# Allegro board WeChat_ZM_PART_20200601.brd
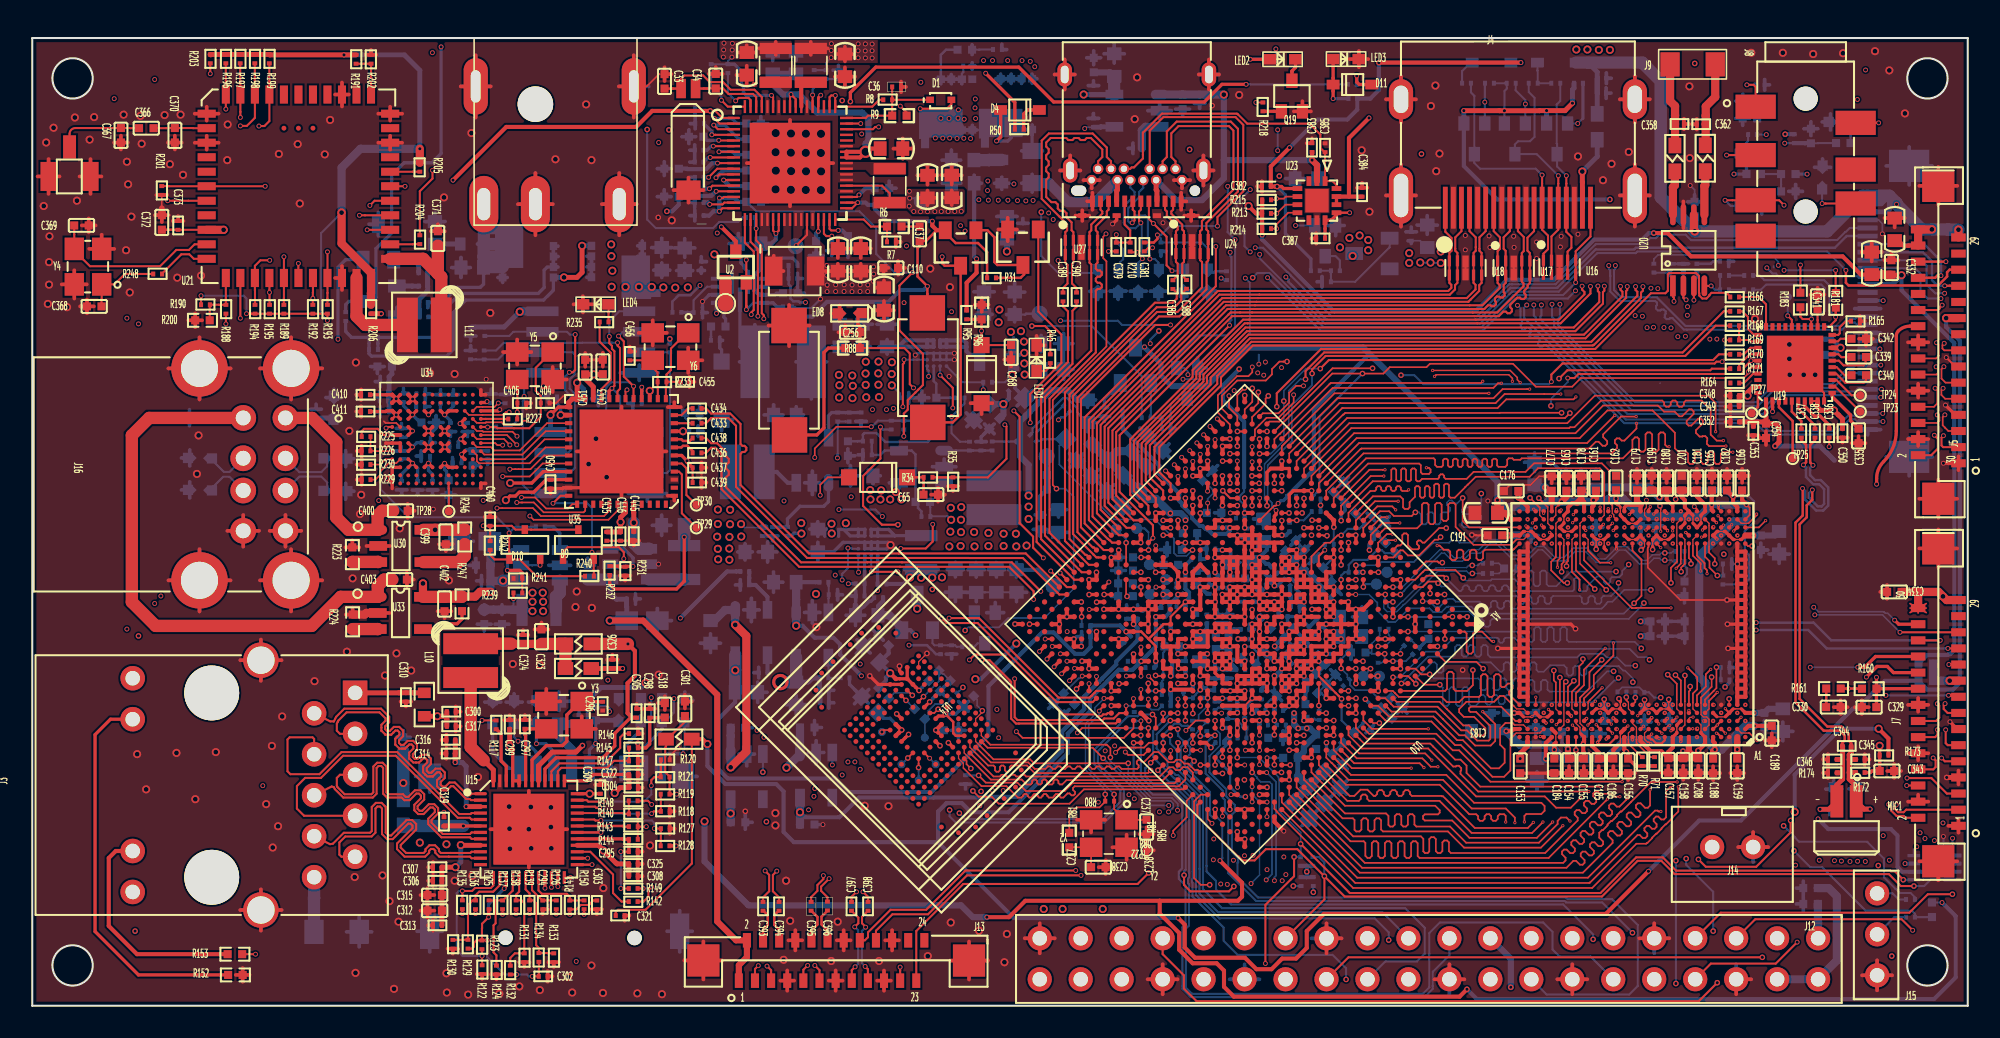
[diagram p0: board, top side]
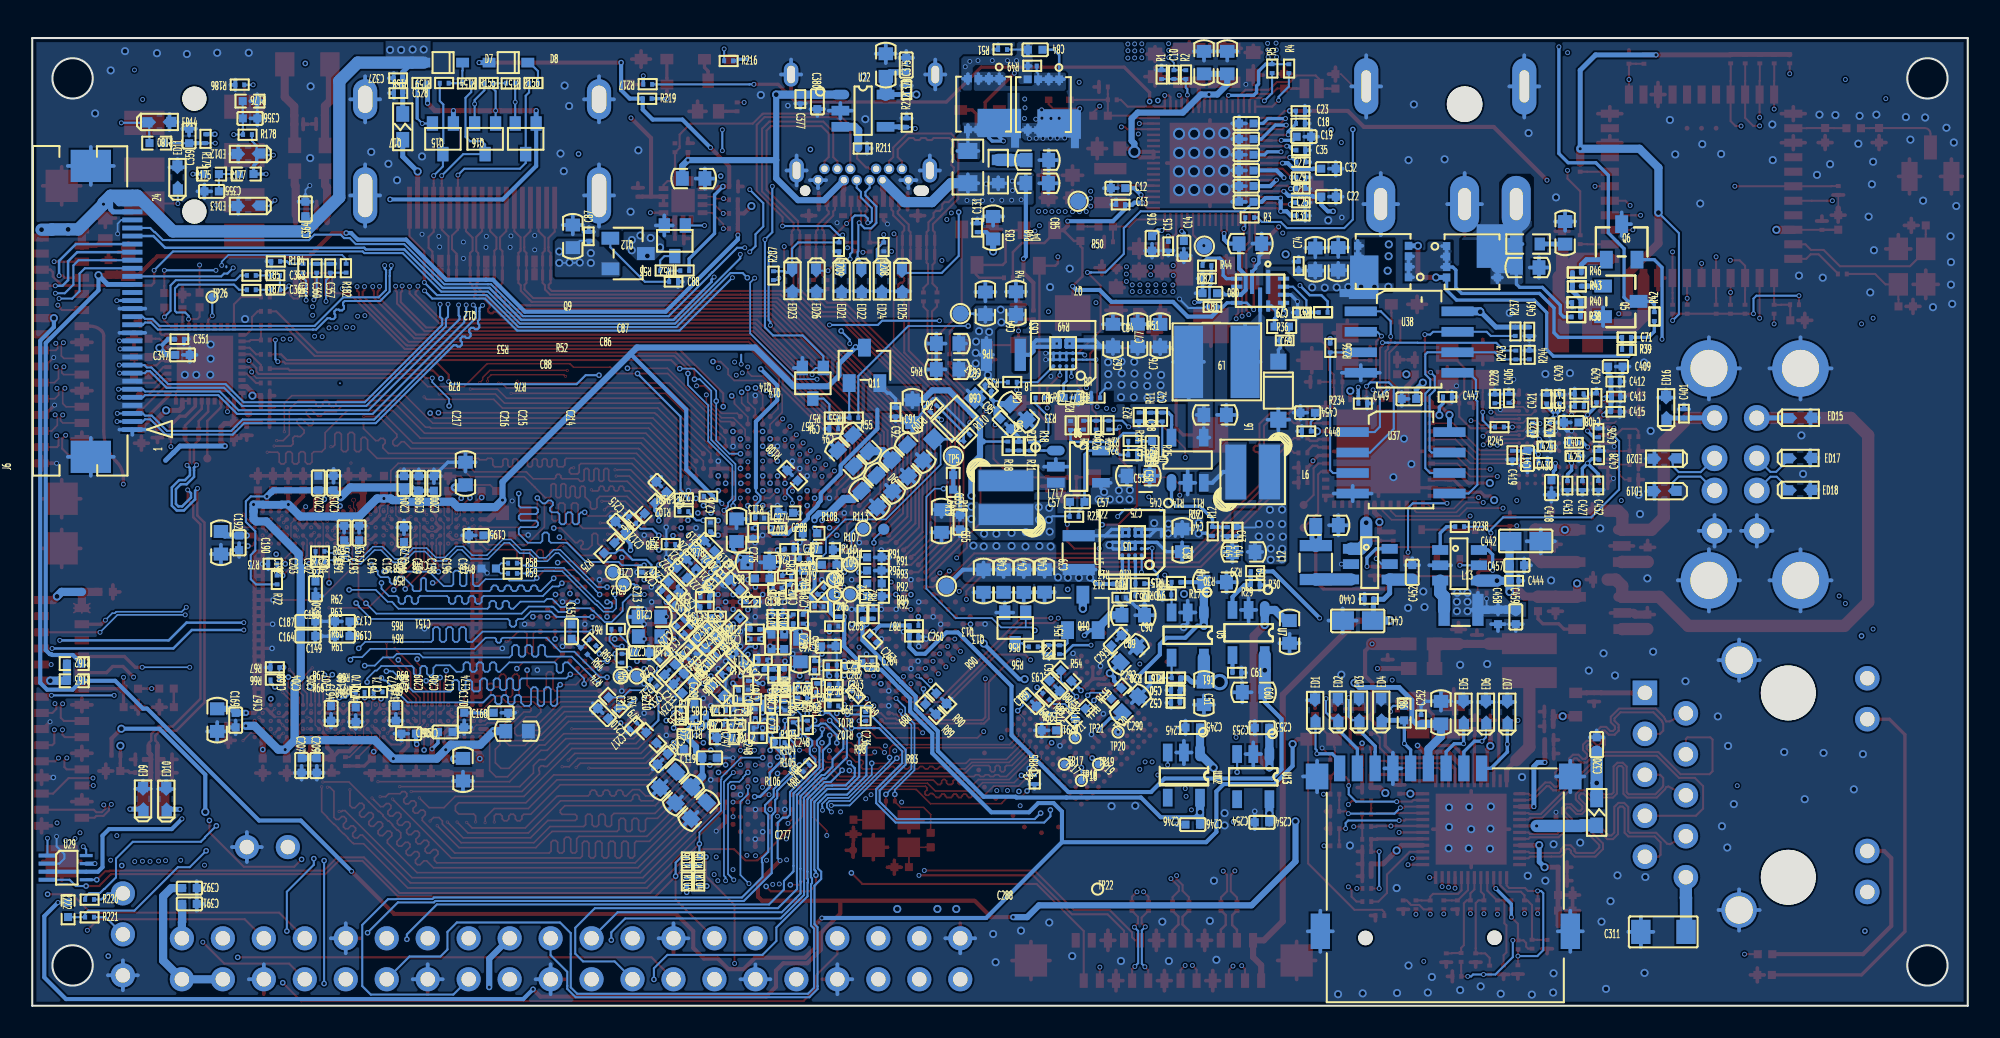
[diagram p1: board, bottom side, seen from below]

Outline 120 x 60 mm; copper layers: TOP, GND1, SIG1, POWER1, GND2, SIG2, GND, BOTTOM. Coordinates in mm from the lower left corner of the outline.
Outline path: circle c2.5,57.5 r1.25 ; circle c2.5,2.5 r1.25 ; circle c117.5,57.5 r1.25 ; circle c117.5,2.5 r1.25 ; 0,60 120,60 120,0 0,0 0,60

## Design rules (mm)
net group DP1: nets TYPEC0_SBU1_DC TYPEC0_SBU2
net group DP2: nets TYPEC_CC1 TYPEC_CC2
net group DP3: nets TYPEC0_DM TYPEC0_DP
net group DP4: nets HOST0_DM HOST0_DP
net group DP5: nets HOST1_DM HOST1_DP
net group DP7: nets N16459798 N16459876
net group DP10: nets USB3_DM USB3_DP
net group GL_SSRXM: nets GL_SSRXM GL_SSTXM0
net group GL_SSRXM0: nets GL_SSRXM0 GL_SSTXM
net group GL_SSRXP: nets GL_SSRXP GL_SSTXP0
net group GL_SSRXP0: nets GL_SSRXP0 GL_SSTXP
net group HDMI_TX0: nets HDMI_TX0N HDMI_TX0P
net group HDMI_TX1: nets HDMI_TX1N HDMI_TX1P
net group HDMI_TX2: nets HDMI_TX2N HDMI_TX2P
net group HDMI_TXC: nets HDMI_TXCN HDMI_TXCP
net group MIC_IN2: nets MIC_IN2N MIC_IN2P
net group MIPI_RX0_CLK: nets MIPI_RX0_CLKN MIPI_RX0_CLKP
net group MIPI_RX0_D0: nets MIPI_RX0_D0N MIPI_RX0_D0P
net group MIPI_RX0_D1: nets MIPI_RX0_D1N MIPI_RX0_D1P
net group MIPI_RX0_D2: nets MIPI_RX0_D2N MIPI_RX0_D2P
net group MIPI_RX0_D3: nets MIPI_RX0_D3N MIPI_RX0_D3P
net group MIPI_TX0_CLK: nets MIPI_TX0_CLKN MIPI_TX0_CLKP
net group MIPI_TX0_D0: nets MIPI_TX0_D0N MIPI_TX0_D0P
net group MIPI_TX0_D1: nets MIPI_TX0_D1N MIPI_TX0_D1P
net group MIPI_TX0_D2: nets MIPI_TX0_D2N MIPI_TX0_D2P
net group MIPI_TX0_D3: nets MIPI_TX0_D3N MIPI_TX0_D3P
net group MIPI_TX1/RX1_CLK: nets MIPI_TX1/RX1_CLKN MIPI_TX1/RX1_CLKP
net group MIPI_TX1/RX1_D0: nets MIPI_TX1/RX1_D0N MIPI_TX1/RX1_D0P
net group MIPI_TX1/RX1_D1: nets MIPI_TX1/RX1_D1N MIPI_TX1/RX1_D1P
net group MIPI_TX1/RX1_D2: nets MIPI_TX1/RX1_D2N MIPI_TX1/RX1_D2P
net group MIPI_TX1/RX1_D3: nets MIPI_TX1/RX1_D3N MIPI_TX1/RX1_D3P
net group PCIE_REF_CLKN: nets N16798072 PCIE_REF_CLKN
net group PCIE_REF_CLKP: nets N16798049 PCIE_REF_CLKP
net group PCIE_RX0: nets PCIE_RX0_N PCIE_RX0_P
net group PCIE_RX1: nets PCIE_RX1_N PCIE_RX1_P
net group PCIE_TX0N: nets N16797144 PCIE_TX0N
net group PCIE_TX0P: nets N16797093 PCIE_TX0P
net group PCIE_TX1N: nets N16797043 PCIE_TX1N
net group PCIE_TX1P: nets N16796955 PCIE_TX1P
net group TYPEC0_RX1: nets TYPEC0_RX1N TYPEC0_RX1P
net group TYPEC0_RX2: nets TYPEC0_RX2N TYPEC0_RX2P
net group TYPEC0_TX1: nets TYPEC0_TX1N TYPEC0_TX1P
net group TYPEC0_TX2: nets TYPEC0_TX2N TYPEC0_TX2P
net group TYPECTX1: nets TYPECTX1N TYPECTX1P
net group DDR4: nets DDR0_ODT0 DDR0_RST DDR1_ODT0
net group EMMC: nets EMMC_D0 EMMC_D1 EMMC_D2 EMMC_D3 EMMC_D4 EMMC_D5 EMMC_D6 EMMC_D7 EMMC_STRB
net group MG1: nets MDI0+ MDI0- MDI1+ MDI1- MDI2+ MDI2- MDI3+ MDI3-

## Placement (name value [footprint] x y rotation side)
C1  22uF  [C0603]  47.35 58.48 270 bottom
C2  22uF  [C0603]  45.91 58.48 270 bottom
C3  22uF  [C0603]  44.48 47.26 0 bottom
C4  22uF  [C0603]  51.37 46.25 90 top
C5  22uF  [C0603]  49.95 46.25 90 top
C6  22uF  [C0603]  53.27 53.14 180 top
C7  22uF  [C0603]  55.5 50.79 90 top
C8  22uF  [C0603]  57.01 50.8 90 top
C9  22uF  [C0603]  44.3 58.4 270 top
C10  47pF  [C0201]  49.22 57.73 90 bottom
C11  22uF  [C0603]  50.39 58.31 270 top
C12  100nF  [C0402]  52.23 50.69 0 bottom
C13  1uF  [C0201]  52.52 49.67 180 bottom
C14  2.2uF  [C0402]  48.6 47.41 270 bottom
C15  1uF  [C0201]  49.57 47.09 90 bottom
C16  2.2uF  [C0402]  50.57 47.71 270 bottom
C17  4.7uF  [C0402]  44.28 53.73 0 bottom
C18  1uF  [C0201]  41.38 54.7 0 bottom
C19  2.2uF  [C0402]  41.61 53.88 180 bottom
C20  2.2uF  [C0402]  44.28 50.82 0 bottom
C21  1uF  [C0201]  41.35 50.66 0 bottom
C22  2.2uF  [C0402]  40.08 50.17 180 bottom
C23  1uF  [C0201]  41.37 55.48 0 bottom
C24  4.7uF  [C0402]  44.28 54.71 0 bottom
C25  1uF  [C0201]  41.35 49.81 0 bottom
C26  2.2uF  [C0402]  44.28 49.85 0 bottom
C27  1uF  [C0201]  41.35 52.31 0 bottom
C28  4.7uF  [C0402]  44.28 52.76 0 bottom
C29  1uF  [C0201]  41.36 51.36 0 bottom
C30  2.2uF  [C0402]  44.28 51.79 0 bottom
C31  1uF  [C0201]  41.35 48.99 0 bottom
C32  1uF  [C0402]  40.08 51.9 180 bottom
C33  22pF  [C0402]  39.2 56.86 90 top
C34  22pF  [C0402]  42.38 56.87 90 top
C35  100nF  [C0201]  41.35 53.05 0 bottom
C36  100nF  [C0201]  53.59 56.97 180 top
C37  1uF  [C0402]  55.01 48.32 270 top
C38  10uF  [C0603]  48.7 28.85 270 bottom
C39  22uF  [C0603]  57.24 26.34 270 bottom
C40  22uF  [C0603]  58.53 26.33 270 bottom
C41  10uF  [C0603]  46.66 36.63 180 bottom
C42  100pF  [C0201]  49.94 36.51 90 bottom
C43  10uF  [C0603]  44.89 28.14 0 bottom
C44  100nF  [C0201]  45.26 29.4 270 bottom
C45  100nF  [C0201]  45.9 29.4 270 bottom
C46  100nF  [C0201]  51.33 25.41 180 bottom
C47  22uF  [C0603]  59.78 26.33 270 bottom
C48  22uF  [C0603]  61.02 26.33 270 bottom
C49  10uF  [C0603]  46.66 26.26 180 bottom
C50  47pF  [C0201]  49.12 19.56 0 bottom
C51  10uF  [C0603]  47.36 19.37 270 bottom
C52  100nF  [C0201]  49.12 18.78 0 bottom
C53  10uF  [C0603]  51.43 32.86 180 bottom
C54  22uF  [C0603]  63.63 30.05 270 bottom
C55  100nF  [C0402]  62.48 30.43 270 bottom
C56  100nF  [C0201]  58.83 34.7 90 bottom
C57  100pF  [C0402]  55.66 31.24 180 bottom
C58  22nF  [C0402]  50.57 35 270 bottom
C59  4.7uF  [C0603]  42.05 23.18 270 bottom
C60  4.7uF  [C0603]  44.28 19.43 0 bottom
C61  100nF  [C0201]  45.32 20.65 180 bottom
C62  10uF  [C0603]  53 41.56 90 bottom
C63  22uF  [C0603]  59.01 43.57 90 bottom
C64  22uF  [C0603]  60.91 43.55 90 bottom
C65  2.2uF  [C0402]  55.26 31.69 0 top
C66  100nF  [C0402]  56.06 37.7 180 bottom
C67  22uF  [C0603]  63.25 41.06 0 bottom
C68  22uF  [C0603]  63.25 39.45 0 bottom
C69  220nF  [C0201]  42.35 41.25 0 bottom
C70  22uF  [C0603]  27.28 45.77 180 bottom
C71  1uF  [C0201]  21.15 41.44 180 bottom
C72  10uF  [C0603]  39.03 46.31 90 bottom
C73  10uF  [C0603]  40.45 46.28 90 bottom
C74  100nF  [C0201]  41.48 45.86 90 bottom
C75  22uF  [C0603]  51.47 41.56 90 bottom
C76  22uF  [C0603]  50.07 41.55 90 bottom
C77  100nF  [C0201]  54.07 37.69 0 bottom
C78  2.2uF  [C0603]  24.96 47.92 90 bottom
C79  NC  [C0201]  41.28 42.98 0 bottom
C80  100nF  [C0402]  46.55 44.18 0 bottom
C81  1uF  [C0201]  46.83 43.33 0 bottom
C82  1uF  [C0201]  47.17 45.09 0 bottom
C83  10uF  [C0603]  57.7 50.99 180 bottom
C84  NC  [C0402]  57.37 59.28 0 bottom
C85  2.2uF  [C0603]  57.68 52.43 180 bottom
C86  10uF  [C0603]  86.49 47.71 90 bottom
C87  100nF  [C0201]  85.5 47.71 90 bottom
C88  100nF  [C0201]  80.24 44.89 180 bottom
C89  10uF  [C0603]  51.74 24.21 180 bottom
C90  100nF  [C0201]  52.48 25.3 180 bottom
C91  10uF  [C0603]  65.43 36.86 270 bottom
C92  100nF  [C0201]  66.47 36.81 270 bottom
C93  10nF  [C0201]  57 22.08 270 bottom
C94  10nF  [C0201]  70.31 35.77 0 bottom
C95  10uF  [C0402]  59.97 36.4 225 bottom
C96  10uF  [C0402]  79.6 16.82 270 bottom
C97  10uF  [C0402]  71.09 22.28 180 bottom
C98  10uF  [C0402]  75.19 26.49 180 bottom
C99  10uF  [C0402]  78.18 23.4 315 bottom
C100  22uF  [C0603]  72.37 22.03 270 bottom
C101  10uF  [C0402]  74.17 23.02 270 bottom
C102  1uF  [C0402]  73.38 23.02 270 bottom
C103  100nF  [C0201]  74.12 23.98 90 bottom
C104  100nF  [C0201]  73.46 23.98 90 bottom
C105  100nF  [C0201]  75.19 23.34 0 bottom
C106  100nF  [C0201]  77.01 20.68 315 bottom
C107  1nF  [C0201]  72.82 23.98 90 bottom
C108  22uF  [C0603]  58.85 36.81 225 bottom
C109  22uF  [C0603]  52.81 43.82 270 top
C110  1uF  [C0402]  52.78 45.75 0 top
C111  100nF  [C0201]  73.36 20.58 270 bottom
C112  100nF  [C0201]  74.93 20.83 0 bottom
C113  100nF  [C0201]  60.73 38.31 45 bottom
C114  100nF  [C0201]  74.7 21.44 0 bottom
C115  1nF  [C0201]  74.07 20.58 270 bottom
C116  22uF  [C0603]  79.63 13.06 315 bottom
C117  22uF  [C0603]  80.59 14.02 315 bottom
C118  22uF  [C0603]  78.67 12.1 315 bottom
C119  1uF  [C0402]  78.46 15.37 180 bottom
C120  100nF  [C0201]  75.61 19.87 270 bottom
C121  100nF  [C0201]  75.36 19.02 0 bottom
C122  100nF  [C0201]  73.56 19.56 180 bottom
C123  100nF  [C0201]  76.21 19.27 270 bottom
C124  1nF  [C0201]  76.18 18.3 0 bottom
C125  22uF  [C0603]  60.43 48.24 90 bottom
C126  10uF  [C0402]  77.62 22.81 315 bottom
C127  1uF  [C0402]  76.78 23.4 135 bottom
C128  100nF  [C0201]  77.39 21.95 315 bottom
C129  100nF  [C0201]  79.79 23.72 315 bottom
C130  100nF  [C0201]  79.36 23.3 315 bottom
C131  1nF  [C0201]  61.42 48.24 90 bottom
C132  22uF  [C0603]  67.16 32.39 225 bottom
C133  22uF  [C0603]  76.34 29.48 90 bottom
C134  22uF  [C0603]  75 27.49 180 bottom
C135  1uF  [C0402]  76.12 25.79 45 bottom
C136  100nF  [C0201]  77.01 27.02 315 bottom
C137  100nF  [C0201]  73.82 25.89 180 bottom
C138  100nF  [C0201]  75.44 25.05 180 bottom
C139  100nF  [C0201]  77.55 24.14 0 bottom
C140  100nF  [C0201]  78.3 24.75 0 bottom
C141  100nF  [C0201]  78.3 25.35 0 bottom
C142  1nF  [C0201]  77.79 26.24 135 bottom
C143  22uF  [C0603]  68.1 31.43 225 bottom
C144  22uF  [C0603]  68.63 34.88 45 bottom
C145  22uF  [C0603]  65.25 34.3 225 bottom
C146  22uF  [C0603]  69.57 33.94 45 bottom
C147  22uF  [C0603]  66.19 33.33 225 bottom
C148  DNP  [C0402]  92.15 27.11 180 bottom
C149  DNP  [C0402]  81.76 21.9 0 bottom
C150  DNP  [C0402]  102.44 25.41 90 bottom
C151  DNP  [C0402]  86.56 23.65 270 bottom
C152  22uF  [C0603]  93.29 14.64 270 bottom
C153  1uF  [C0402]  92.25 15.32 270 top
C154  100nF  [C0402]  95.28 15.32 270 top
C155  100nF  [C0402]  96.2 15.32 270 top
C156  100nF  [C0402]  98.95 15.32 270 top
C157  100nF  [C0402]  101.43 15.35 270 top
C158  100nF  [C0402]  102.36 15.35 270 top
C159  100nF  [C0402]  105.71 15.33 270 top
C160  10uF  [C0603]  90.14 30.56 180 top
C161  100nF  [C0402]  96.95 31.93 90 top
C162  100nF  [C0402]  98.2 31.96 90 top
C163  100nF  [C0402]  95.12 31.93 90 top
C164  100nF  [C0402]  103.35 22.92 180 bottom
C165  100nF  [C0402]  104.14 31.96 90 top
C166  100nF  [C0402]  106.01 31.96 90 top
C167  10uF  [C0603]  108.53 17.71 270 bottom
C168  1uF  [C0402]  91.39 18.17 180 bottom
C169  100nF  [C0402]  107.39 18.16 270 bottom
C170  100nF  [C0402]  93.22 18.17 270 bottom
C171  100nF  [C0402]  97.46 18.57 270 bottom
C172  100nF  [C0402]  96.95 28.76 90 bottom
C173  100nF  [C0402]  100.33 23.83 0 bottom
C174  100nF  [C0402]  99.95 18.5 270 bottom
C175  22uF  [C0603]  93.14 33 90 bottom
C176  1uF  [C0402]  92.14 31.92 180 top
C177  100nF  [C0402]  94.2 31.93 90 top
C178  100nF  [C0402]  96.04 31.93 90 top
C179  100nF  [C0402]  99.49 31.96 90 top
C180  100nF  [C0402]  101.33 31.96 90 top
C181  100nF  [C0402]  103.2 31.96 90 top
C182  100nF  [C0402]  105.08 31.96 90 top
C183  10uF  [C0603]  89.94 17.02 180 bottom
C184  100nF  [C0402]  94.37 15.32 270 top
C185  100nF  [C0402]  97.11 15.32 270 top
C186  100nF  [C0402]  98.03 15.32 270 top
C187  100nF  [C0402]  103.35 23.83 180 bottom
C188  100nF  [C0402]  104.22 15.32 270 top
C189  100nF  [C0402]  107.85 17.35 270 top
C190  10uF  [C0603]  108.31 28.71 270 bottom
C191  1uF  [C0402]  91.14 29.16 180 top
C192  100nF  [C0402]  107.17 29.16 270 bottom
C193  100nF  [C0402]  99.74 28.86 90 bottom
C194  100nF  [C0402]  101.47 18.57 270 bottom
C195  100nF  [C0402]  92.02 29.16 0 bottom
C196  100nF  [C0402]  100.33 22.91 0 bottom
C197  100nF  [C0402]  100.66 28.86 90 bottom
C198  100nF  [C0402]  96.04 31.93 90 bottom
C199  100nF  [C0402]  100.41 31.96 90 top
C200  100nF  [C0402]  95.1 31.93 90 bottom
C201  100nF  [C0402]  102.27 31.96 90 top
C202  100nF  [C0402]  102.26 31.96 90 bottom
C203  100nF  [C0402]  101.32 31.96 90 bottom
C204  100nF  [C0402]  96.95 31.93 90 bottom
C205  100nF  [C0402]  94.84 16.97 180 bottom
C206  100nF  [C0402]  96.22 16.87 0 bottom
C207  100nF  [C0402]  103.3 15.35 270 bottom
C208  100nF  [C0402]  103.29 15.35 270 top
C209  100nF  [C0402]  102.36 15.35 270 bottom
C210  1uF  [C0402]  84.3 17.81 45 bottom
C211  100nF  [C0201]  81.48 20.02 225 bottom
C212  1uF  [C0402]  83.21 29.39 45 bottom
C213  100nF  [C0201]  81.89 26.88 0 bottom
C214  1uF  [C0402]  80.67 31.86 45 bottom
C215  100nF  [C0201]  82.8 30.1 45 bottom
C216  1uF  [C0402]  80.59 15.6 315 bottom
C217  100nF  [C0201]  82.73 17.35 315 bottom
C218  22uF  [C0603]  81.74 24.11 0 bottom
C219  10uF  [C0402]  77.7 28.21 45 bottom
C220  1uF  [C0402]  78.27 27.64 45 bottom
C221  100nF  [C0402]  78.82 27.08 45 bottom
C222  100nF  [C0402]  79.41 26.52 45 bottom
C223  100nF  [C0402]  79.91 25.66 45 bottom
C224  100nF  [C0201]  80.73 25.53 45 bottom
C225  100nF  [C0201]  79.95 24.75 225 bottom
C226  100nF  [C0201]  80.9 21.62 315 bottom
C227  22uF  [C0603]  81.72 22.89 0 bottom
C228  10uF  [C0402]  77.8 19.84 225 bottom
C229  1uF  [C0402]  78.94 18.7 270 bottom
C230  100nF  [C0402]  79.04 20.02 315 bottom
C231  100nF  [C0402]  79.6 20.58 315 bottom
C232  100nF  [C0402]  80.16 21.16 315 bottom
C233  100nF  [C0201]  79.5 22.08 135 bottom
C234  100nF  [C0201]  79.04 21.62 135 bottom
C235  100nF  [C0201]  78.28 21.01 135 bottom
C236  100nF  [C0201]  68.33 17.94 270 bottom
C237  8pF  [C0402]  69.09 11.54 270 top
C238  8pF  [C0402]  66.55 8.59 180 top
C239  1uF  [C0402]  75.87 21.19 45 bottom
C240  100nF  [C0201]  75.19 22.74 0 bottom
C241  100nF  [C0201]  71.37 19.72 270 bottom
C242  100nF  [C0201]  68.53 24.27 90 bottom
C243  100nF  [C0201]  70.3 19.9 180 bottom
C244  100nF  [C0201]  70.3 19.3 180 bottom
C245  1uF  [C0402]  47.6 17.25 0 bottom
C246  1uF  [C0402]  47.6 11.23 0 bottom
C247  100nF  [C0201]  77.44 17.41 0 bottom
C248  100nF  [C0201]  73.63 16.31 180 bottom
C249  100nF  [C0201]  68.96 19.33 225 bottom
C250  100nF  [C0201]  72.23 19.71 0 bottom
C251  10uF  [C0603]  32.66 18.18 90 bottom
C252  100nF  [C0201]  33.89 17.75 90 bottom
C253  4.7uF  [C0402]  43.3 17.24 0 bottom
C254  4.7uF  [C0402]  43.31 11.37 0 bottom
C255  100nF  [C0201]  71.5 21.09 90 bottom
C256  1nF  [C0402]  51.31 41.76 180 top
C257  1uF  [C0201]  70.39 21.11 180 bottom
C258  1uF  [C0201]  69.29 20.96 180 bottom
C259  100nF  [C0201]  72.21 23.97 270 bottom
C260  100nF  [C0201]  65.34 22.88 180 bottom
C261  100nF  [C0201]  71.12 25.72 135 bottom
C262  100nF  [C0201]  70.39 20.5 180 bottom
C263  100nF  [C0201]  67.9 22.72 225 bottom
C264  100nF  [C0201]  68.2 21.36 180 bottom
C265  100nF  [C0201]  70.3 23.53 180 bottom
C266  100nF  [C0201]  71.22 24.74 180 bottom
C267  100nF  [C0201]  75.17 18.11 90 bottom
C268  100nF  [C0402]  60.69 40.97 270 top
C269  100nF  [C0201]  76.34 17.41 0 bottom
C270  100nF  [C0201]  69.99 24.4 90 bottom
C271  100nF  [C0201]  72.24 19.08 180 bottom
C272  100nF  [C0201]  74.24 18.7 270 bottom
C273  100nF  [C0201]  75.01 17.23 0 bottom
C274  100nF  [C0201]  74.9 30.23 180 bottom
C275  100nF  [C0201]  75.31 29.32 270 bottom
C276  100nF  [C0201]  77.95 29.68 90 bottom
C277  100nF  [C0201]  75.01 16.59 0 bottom
C278  100nF  [C0201]  78.08 31.58 0 bottom
C279  100nF  [C0201]  73.22 26.67 180 bottom
C280  100nF  [C0201]  73.79 29.63 180 bottom
C281  100nF  [C0201]  72.14 27.69 0 bottom
C282  1uF  [C0402]  71.04 27.34 180 bottom
C283  100nF  [C0201]  72.97 25.82 90 bottom
C284  1uF  [C0402]  72.19 26.07 90 bottom
C285  100nF  [C0201]  77.29 18.3 0 bottom
C286  100nF  [C0201]  74.12 17.51 90 bottom
C287  100nF  [C0201]  73.08 28.33 180 bottom
C288  DNP  [C0402]  56.29 19.51 45 bottom
C289  100nF  [C0402]  57.73 18.56 45 bottom
C290  4.7uF  [C0603]  51.92 18.67 135 bottom
C291  100nF  [C0402]  56.52 17.07 0 bottom
C292  4.7uF  [C0603]  52.04 21.78 135 bottom
C293  100nF  [C0402]  53.09 22.33 135 bottom
C294  22pF  [C0201]  31.65 6.25 270 top
C295  4.7nF  [C0201]  37.26 9.56 0 top
C296  12pF  [C0201]  35.37 18.58 270 top
C297  12pF  [C0201]  30.54 17.44 90 top
C298  10uF  [C0201]  38.28 18.13 90 top
C299  100nF  [C0201]  29.6 17.43 90 top
C300  100nF  [C0201]  25.98 18.23 0 top
C301  10uF  [C0402]  40.46 17.96 90 top
C302  100nF  [C0201]  31.68 1.82 0 top
C303  100nF  [C0201]  35 6.25 270 top
C304  100nF  [C0201]  37.27 13.53 0 top
C305  100nF  [C0201]  37.47 18.13 90 top
C306  100nF  [C0201]  25.12 7.75 180 top
C307  100nF  [C0201]  25.12 8.59 180 top
C308  100nF  [C0201]  37.26 8.03 0 top
C309  100nF  [C0201]  35.23 13.42 90 top
C310  100nF  [C0201]  23.16 19.13 90 top
C311  102/2KV  [C1206]  20.27 4.58 180 bottom
C312  10uF  [C0402]  25.4 5.9 180 top
C313  100nF  [C0201]  25.12 4.98 180 top
C314  100nF  [C0201]  25.94 15.64 180 top
C315  10uF  [C0402]  25.4 6.86 180 top
C316  100nF  [C0201]  25.95 16.48 180 top
C317  100nF  [C0201]  25.98 17.33 0 top
C318  4.7uF  [C0402]  39.22 17.87 90 top
C319  100nF  [C0201]  25.53 11.41 90 top
C320  10uF  [C0402]  23.01 15.74 90 bottom
C321  100nF  [C0201]  36.45 5.59 0 top
C322  100nF  [C0201]  37.27 14.34 0 top
C323  4.7uF  [C0402]  31.57 22.43 90 top
C324  100nF  [C0201]  30.43 22.71 90 top
C325  10uF  [C0201]  37.26 8.79 0 top
C326  100nF  [C0201]  35.97 21.19 90 top
C327  100nF  [C0201]  97.32 57.51 0 bottom
C328  1uF  [C0201]  97.3 56.59 180 bottom
C329  8pF  [C0402]  114.33 18.51 180 top
C330  8pF  [C0402]  111.22 18.51 0 top
C331  10uF  [C0603]  114.05 46.03 90 top
C332  100nF  [C0402]  115.27 45.32 90 top
C333  10uF  [C0603]  115.47 48.14 90 top
C334  100nF  [C0402]  115.9 25.66 180 top
C335  4.7uF/10V  [C0402]  113.23 34.88 90 top
C336  1uF  [C0201]  111.41 35.5 90 top
C337  1uF  [C0201]  109.68 35.5 90 top
C338  1uF  [C0201]  110.53 35.5 90 top
C339  2.2uF/10V  [C0402]  113.69 40.22 180 top
C340  2.2uF/10V  [C0402]  113.69 39.09 180 top
C341  2.2uF/10V  [C0402]  110.69 43.19 90 top
C342  2.2uF/10V  [C0402]  112.79 41.36 0 top
C343  1uF  [C0402]  114.54 14.56 0 top
C344  100pF  [C0201]  112.5 16.11 180 top
C345  100pF  [C0201]  113.33 15.27 0 top
C346  100pF  [C0201]  111.61 15.27 180 top
C347  4.7uF/10V  [C0402]  111.14 40.35 180 bottom
C348  100nF  [C0201]  105.55 37.83 180 top
C349  100nF  [C0201]  105.55 37.15 180 top
C350  100nF  [C0201]  112.24 35.5 270 top
C351  100nF  [C0201]  110.88 41.33 180 bottom
C352  100nF  [C0201]  105.56 36.2 180 top
C353  100nF  [C0201]  106.71 35.64 270 top
C354  4.7uF  [C0402]  107.49 36.1 270 top
C355  100nF  [C0402]  108.43 50.49 0 bottom
C356  10nF  [C0402]  106.04 55.02 0 bottom
C357  100nF  [C0201]  101.53 45.73 270 bottom
C358  680pF  [C0201]  102.13 54.67 0 top
C359  100nF  [C0402]  110.27 53.48 90 bottom
C360  1uF  [C0201]  102.37 45.73 270 bottom
C361  100nF  [C0201]  103.21 45.73 270 bottom
C362  680pF  [C0201]  103.48 54.66 0 top
C363  100nF  [C0201]  104.92 45.28 180 bottom
C364  10uF  [C0402]  103.06 48.95 90 bottom
C365  100nF  [C0201]  104.92 44.39 180 bottom
C366  0  [C0402]  7.52 54.41 180 top
C367  DNP  [C0402]  5.5 54.42 270 top
C368  12pF  [C0402]  4.29 43.36 180 top
C369  12pF  [C0402]  2.6 48.38 0 top
C370  DNP  [C0402]  8.84 54.42 270 top
C371  4.7uF  [C0402]  25.15 47.12 90 top
C372  10uF  [C0402]  8.03 48.12 90 top
C373  100nF  [C0201]  9.04 48.38 90 top
C374  22uF  [C0603]  67.08 58.32 90 bottom
C375  100nF  [C0201]  65.8 56.77 90 bottom
C376  22uF  [C0603]  78.99 51.29 180 bottom
C377  100nF  [C0201]  72.38 56.22 270 bottom
C378  10uF  [C0402]  65.81 57.87 90 bottom
C379  100nF  [C0201]  67.21 47.05 90 top
C380  10uF  [C0402]  71.32 56.49 270 bottom
C381  100nF  [C0201]  68.95 47.05 90 top
C382  1uF  [C0201]  76.52 50.8 180 top
C383  1uF  [C0201]  79.35 53.21 90 top
C384  1uF  [C0201]  82.45 50.44 90 top
C385  220pF  [C0201]  80.15 53.2 90 top
C386  100nF  [C0201]  70.72 44.71 90 top
C387  220pF  [C0201]  79.88 47.58 180 top
C388  100nF  [C0201]  71.56 44.72 90 top
C389  100nF  [C0201]  63.91 43.95 90 top
C390  100nF  [C0201]  64.74 43.95 90 top
C391  4.7uF  [C0402]  109.8 6.32 0 bottom
C392  4.7uF  [C0402]  109.8 7.3 0 bottom
C393  2100nF  [C0201]  45.31 6.16 270 top
C394  2100nF  [C0201]  46.3 6.16 270 top
C395  2100nF  [C0201]  48.29 6.17 270 top
C396  2100nF  [C0201]  49.3 6.18 270 top
C397  100nF  [C0201]  50.79 6.16 90 top
C398  100nF  [C0201]  51.82 6.16 90 top
C399  10uF  [C0402]  25.64 29.51 270 top
C400  10uF  [C0402]  22.38 30.69 0 top
C401  100nF  [C0201]  17.6 36.71 90 bottom
C402  10uF  [C0402]  25.56 25.36 270 top
C403  10uF  [C0402]  22.33 26.42 0 top
C404  18pF  [C0201]  31.8 37.37 0 top
C405  18pF  [C0201]  30.35 37.37 0 top
C406  100pF  [C0201]  28.45 37.66 90 bottom
C407  100nF  [C0201]  24.41 34.91 0 bottom
C408  4.7uF  [C0402]  24.14 36.17 0 bottom
C409  4.7uF  [C0402]  22.3 39.63 180 bottom
C410  100nF  [C0201]  20.66 37.88 180 top
C411  100nF  [C0201]  20.66 36.84 180 top
C412  100nF  [C0201]  21.85 38.7 180 bottom
C413  100nF  [C0201]  21.81 37.77 180 bottom
C414  100nF  [C0201]  24.09 37.94 0 bottom
C415  100nF  [C0201]  21.85 36.83 180 bottom
C416  100nF  [C0201]  24.08 37.15 0 bottom
C417  4.7uF  [C0402]  27.3 34.39 270 bottom
C418  4.7uF  [C0402]  25.81 32.58 270 bottom
C419  100nF  [C0201]  28.24 34.14 270 bottom
C420  100nF  [C0201]  25.31 37.62 90 bottom
C421  100nF  [C0201]  26.11 37.61 90 bottom
C422  100nF  [C0201]  26.98 35.87 270 bottom
C423  100nF  [C0201]  25.92 35.87 270 bottom
C424  100nF  [C0201]  26.14 34.68 180 bottom
C425  100nF  [C0201]  24.39 34.08 180 bottom
C426  100nF  [C0201]  22.89 35.52 90 bottom
C427  100nF  [C0201]  23.89 32.25 270 bottom
C428  100nF  [C0201]  22.86 34.13 90 bottom
C429  100nF  [C0201]  23.02 37.69 90 bottom
C430  100nF  [C0201]  26.33 33.66 180 bottom
C431  100nF  [C0201]  24.81 32.25 270 bottom
C432  100nF  [C0201]  22.9 32.26 270 bottom
C433  100nF  [C0201]  41.22 36.12 0 top
C434  100nF  [C0201]  41.22 37.04 0 top
C435  1uF  [C0201]  35.62 29.1 270 top
C436  100nF  [C0201]  41.22 34.28 0 top
C437  100nF  [C0201]  41.22 33.36 0 top
C438  100nF  [C0201]  41.22 35.2 0 top
C439  100nF  [C0201]  41.22 32.44 0 top
C440  100nF  [C0201]  37.12 25.22 0 bottom
C441  22uF/16V  [C0805]  36.86 23.88 0 bottom
C442  22uF/16V  [C0805]  28.37 28.8 180 bottom
C443  10uF  [C0402]  35.38 39.16 90 top
C444  100nF  [C0201]  28.13 26.35 180 bottom
C445  1uF  [C0201]  37.3 29.11 270 top
C446  1uF  [C0201]  36.47 29.1 270 top
C447  1uF  [C0201]  32.26 37.75 180 bottom
C448  1uF  [C0201]  41.01 35.62 0 bottom
C449  4.7uF  [C0402]  35.1 37.63 180 bottom
C450  100nF  [C0201]  32.13 32.34 270 top
C451  4.7uF  [C0402]  34.28 39.15 90 top
C452  100nF  [C0402]  34.44 26.42 90 bottom
C453  100nF  [C0603]  39.72 29.79 180 bottom
C454  10uF  [C0402]  40.47 36.77 0 bottom
C455  18pF  [C0201]  40.48 38.68 0 top
C456  18pF  [C0201]  37.05 40.29 90 top
C457  10uF  [C0402]  28.41 27.31 180 bottom
C458  10uF  [C0402]  29.12 24.56 270 bottom
C459  10uF  [C0402]  28.02 24.56 270 bottom
C460  100nF  [C0201]  28.39 30.03 90 top
C461  100nF  [C0201]  27.18 41.8 270 bottom
D1  B5819WS  [SOD_523]  56.99 56.17 180 top
D2  B5819WS  [SOD_123]  52.44 32.76 0 top
D3  NC  [SOD_123]  42.74 38.14 90 bottom
D4  B5819WS  [SOD_323]  61.24 55.54 0 top
D5  BZT52C3V3  [SOD_123]  58.85 39.16 90 top
D6  BZT52C3V3T  [SOD_123]  62.81 36.4 315 bottom
D7  B5819WS  [SOD_323]  94.52 58.48 180 bottom
D8  B5819WS  [SOD_323]  90.48 58.48 180 bottom
D9  BAT54A/SOT  [SOT23-3]  33.86 29.52 0 top
D10  BAT54A/SOT  [SOT23-3]  30.54 29.52 0 top
D11  B5819WS  [SOD_323]  81.85 57.12 180 top
ED1  ESD5451N  [ESD0402]  40.46 18.32 90 bottom
ED2  ESD5451N  [ESD0402]  39.05 18.34 90 bottom
ED3  ESD5451N  [ESD0402]  37.74 18.34 90 bottom
ED4  ESD5451N  [ESD0402]  36.36 18.34 90 bottom
ED5  ESD5451N  [ESD0402]  31.26 18.21 90 bottom
ED6  ESD5451N  [ESD0402]  29.87 18.21 90 bottom
ED7  ESD5451N  [ESD0402]  28.55 18.21 90 bottom
ED8  ESD5451N  [ESD0402]  50.68 42.93 180 top
ED9  ESD5451N  [ESD0402]  113.13 12.83 90 bottom
ED10  ESD5451N  [ESD0402]  111.69 12.81 90 bottom
ED11  ESD5451N  [ESD0402]  111 51.36 90 bottom
ED12  ESD5451N  [ESD0402]  106.6 52.81 0 bottom
ED13  ESD5451N  [ESD0402]  106.6 49.59 0 bottom
ED14  ESD5451N  [ESD0402]  112.11 54.8 180 bottom
ED15  ESD5451N  [ESD0402]  10.37 36.46 180 bottom
ED16  ESD5451N  [ESD0402]  18.7 37.09 90 bottom
ED17  esl100503  [ESD0402]  10.39 33.97 180 bottom
ED18  esl100503  [ESD0402]  10.39 31.98 180 bottom
ED19  esl100503  [ESD0402]  18.8 31.9 0 bottom
ED20  esl100503  [ESD0402]  18.8 33.92 0 bottom
ED21  esl100503  [ESD0402]  69.82 44.93 270 bottom
ED22  esl100503  [ESD0402]  68.57 44.93 270 bottom
ED23  esl100503  [ESD0402]  72.87 44.95 270 bottom
ED24  esl100503  [ESD0402]  67.32 44.93 270 bottom
ED25  esl100503  [ESD0402]  66.06 44.92 270 bottom
ED26  esl100503  [ESD0402]  71.38 44.95 270 bottom
FB1  180R-100M  [L0603]  33.86 22.43 0 top
FB2  180R-100M  [L0603]  23.01 11.99 270 bottom
FB3  180R-100M  [L0603]  33.86 20.91 0 top
FB4  180R-100M  [L0603]  40.09 16.53 180 top
FB5  180R-100M  [L0603]  97.03 54.49 90 bottom
FB6  600R-100M  [L0603]  101.84 52.54 90 top
FB7  600R-100M  [L0603]  103.73 52.55 90 top
J1  DC-0007-5P  [DC3_DC_0007_5P]  31.19 60 270 top
J2  TF-CKT01-009D  [TF9_CKT01_009D]  30.14 14.72 270 bottom
J3  HR911130C  [RJ45_HR911130C]  11.13 13.68 90 top
J4  HDMI_A  [HDMIA19_HDMI_01A]  87.61 49.48 0 top
J5  30PIN FPC CON  [CNN30_1R00_FP05SL_V]  118.17 41.13 90 top
J6  30PIN FPC CON  [FPC30_0R50_UP]  115.66 41.72 90 bottom
J7  30PIN FPC CON  [CNN30_1R00_FP05SL_V]  118.17 18.66 90 top
J8  PJ-3536  [PJ7_PJ3536]  109.95 59.74 270 top
J9  CON2  [R1206]  101.54 58.37 0 top
J10  IPX  [ECT8180001581]  2.31 53.22 180 top
J11  -  [USB_TYPEC_115H0]  68.48 59.74 180 top
J12  HEADER 20X2  [CON_2_54_2X20P]  110.72 4.18 270 top
J13  HEADER 13X2  [CNN24_1R00_FP05SL_V]  51.31 2.81 0 top